# Altium PCB LimeSDR-XTRX_1v0.PcbDoc (part 4 of 8) (continued)
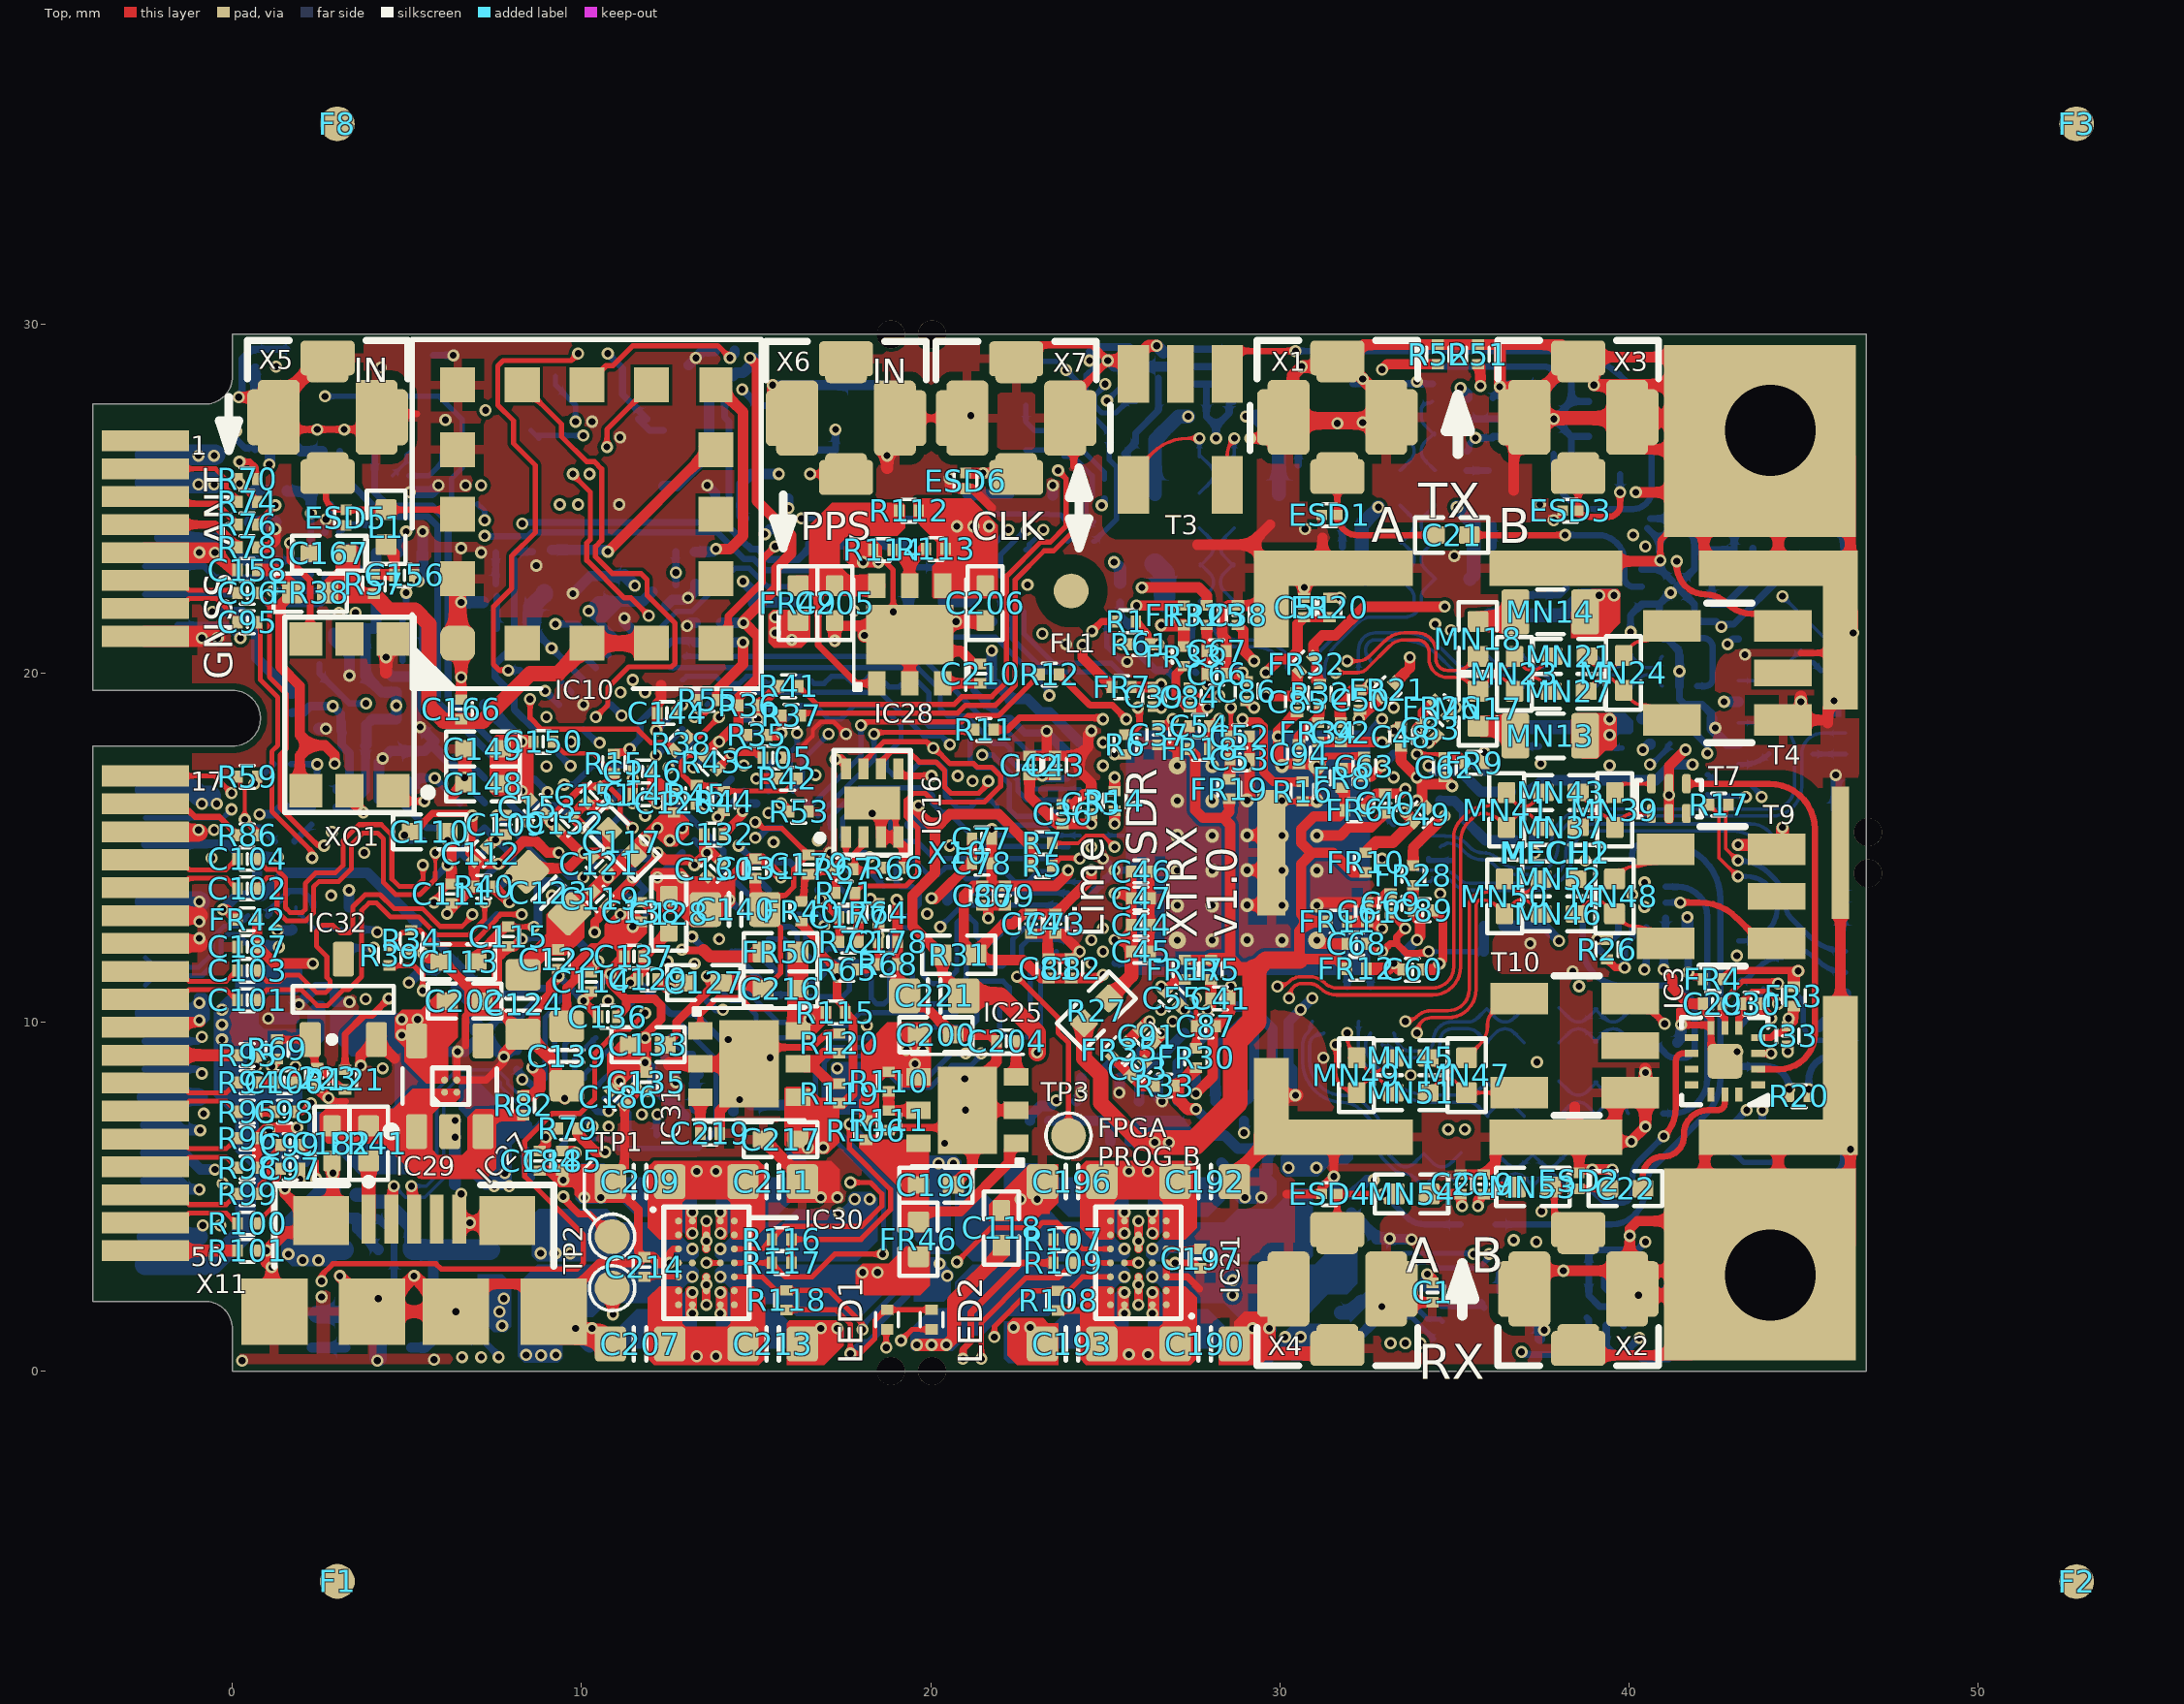
[diagram p0: Top view]
## Nets (pads, with @x,y where several pads share a name; then routed paths per layer and width w, separated by ;. In a path a pad name is that pad's centre, name@x,y a point inside that pad or via, vN(x,y) a via of type N, cw(c..) or ccw(c..) an arc to the next point about the centre after c; other vN are vias at no path point) (continued)
  Bottom w0.25: v1(0.775,15.95) 1.175,15.95 1.375,16.15 IC12.2@2.262,16.15 ; C183.2@8.4,6.32 8.4,5.701 R89.2@8.541,5.56 ; IC1.K4@33.596,17.343 v1(33.929,17.01) ; v1@40.483,7 T8.2@40.483,7.38 T8.5@40.483,8.23 v1@40.483,8.6 ; v1(41,11.5) 41.003,11.503 41.003,11.847 C32.2@41.005,11.85 ; T1.2@41.451,19.625 T1.5@41.451,20.475
  Bottom w0.3: 0.596,24.821 0.596,25.22 0.625,25.249 ; 0.625,25.25 C176.2@1,25.25 ; v1(1.9,10.5) 2.4,11 2.775,11 2.925,10.85 2.925,10.575 v1(3.35,10.575) ; C172.2@2.895,21.148 2.895,20.955 3.35,20.5 v1(3.35,19.925) ; C108.2@4.195,16.375 4.195,17.445 v1(4.3,17.55) 4.514,17.764 5.502,17.764 5.782,18.043 v1(5.375,18.45) 5.255,18.57 C168.2@5.255,19.45 5.255,19.745 5.1,19.9 4.575,19.9 4.4,20.075 v1(4.4,20.45) ; IC14.3@5.435,23.44 5.443,23.448 v1@5.443,24.043 ; C155.1@5.642,17.904 5.746,17.904 v1(6.65,17) ; 5.945,9.15 v1(6.45,9.15) 6.654,9.15 C203.1@7.029,9.525 7.25,9.525 v1(7.775,9) 7.98,9.205 R77.1@8.15,9.205 ; C188.1@6.325,2.475 6.325,1.775 C165.2@6.67,1.43 ; C106.2@6.389,10.954 R50.2@6.937,10.406 6.937,9.744 C203.1@7.029,9.652 ; v1(9.75,22.275) 10.252,22.777 C143.1@11.204,22.777 ; v1@9.825,1.23 v1@10.3,1.23 ; v1(11.225,21.575) 11.225,21.456 IC7.W1@11.467,21.214 ; C147.2@12.423,21.927 12.596,22.1 13,22.1 v1(13.05,22.15) 13.26,22.36 C161.2@13.26,22.555 ; v1(13.025,21.35) 13.11,21.435 C126.2@13.261,21.435 ; X9.6@13.07,28.82 v1(13.275,29.025) 13.475,29.225 C163.2@13.82,29.225 ; v1(13.6,25.375) 13.825,25.15 13.825,24.935 C159.2@13.85,24.935 ; C141.1@14.35,7.433 C134.1@14.35,8.373 ; C141.1@14.85,7.625 C125.1@15.79,7.625 ; 15.1,7.65 15.1,8.59 ; v1(15.25,23.975) 15.4,24.125 15.655,24.125 15.995,23.785 C174.2@15.995,23.685 ; v1(15.475,28.25) IC17.PAD@18.55,28.25 ; 16.011,6.239 C208.1@16.675,5.575 ; v1(16.85,4.975) v1(17.325,4.975) ; IC9.3@19.365,22.365 19.365,21.885 19.78,21.47 R63.2@20.35,21.47 20.375,21.47 20.38,21.475 C2.1@21.77,21.475 ; IC17.PAD@21.05,25.125 IC17.4@22.25,25.125 ; v1@23.335,18.327 23.335,18.28 IC1.J33@23.938,17.676 ; IC17.4@23.5,25.085 v1(23.5,25.375) ; C64.1@24.175,7.73 24.315,7.87 C56.2@24.315,8.4 ; v1(25.075,28.95) 25.089,28.95 25.264,28.775 IC13.PAD@27.175,28.775 ; v1@25.415,8.007 C57.2@25.415,8.4 ; C58.2@26.515,8.4 26.515,7.835 v1(26.625,7.725) ; v1@27.595,8.007 C88.2@27.595,8.4 ; 28.325,5.975 28.5,5.8 C201.1@28.975,5.8 ; C71.2@28.706,8.4 28.706,8.793 28.825,8.911 v2(28.825,8.925) ; C201.1@29.65,5.7 29.65,6.15 30.175,6.675 ; v1(30.45,7.9) 30.45,7.914 30.355,8.009 C59.2@30.355,8.4 30.355,8.645 30.25,8.75 30.25,10.002 v1(30.932,10.683) ; C116.1@31.55,4.975 v1(31.55,5.575) ; C222.2@32.03,0.7 32.03,0.741 32.925,1.636 v1(32.925,1.85) ; C116.1@32.05,4.55 32.775,3.825 32.775,3.775 v1(33.775,3.775) ; C116.1@32.075,5.05 32.5,5.475 v1(32.7,5.475) ; IC2.7@34.65,1.925 IC2.PAD@35.75,1.925 ; IC2.PAD@36.35,2.3 36.35,2.9 ; IC2.PAD@36.85,1.925 IC2.2@37.45,1.925 ; IC2.4@37.45,0.925 IC2.1@37.45,2.425 ; v1(38.95,5.775) v1(39.525,5.775) ; IC8.2@39.35,2.8 39.35,2.425 39.575,2.2 v1@40.25,2.2 ; v1@40.062,6.588 v1(40.475,7) ; v1(40.275,2.175) v1@40.25,2.2 ; C160.2@40.385,0.4 41.125,0.4 X10.0@41.425,0.7 ; T6.1@41.385,9.415 41.5,9.53 v1(41.5,9.925) ; X10.0@41.5,2.2 v1@40.25,2.2 ; R25.2@42.375,18.7 42.375,18.4 42.8,17.975 X13.12@43.142,17.975 ; v2(45.45,9.85) 45.825,10.225 X8.9@46.207,10.225 X8.7@46.207,10.825 ; X10.0@45.8,5.1 X10.0@46.207,5.507 ; X13.MP2@45.932,16.09 X13.15@45.932,17.075 ; X8.1@46.08,12.65 46.08,14.425 ; X13.1@46.207,21.275 X10.0@46.207,24.425
  Bottom w0.35: 0.5,24.327 C175.1@1.225,24.327 ; v1(1.025,10.1) IC26.2@1.75,10.1 ; v1(1.05,6.9) 1.775,6.9 v1(1.85,6.975) ; IC11.3@2.49,18.4 v1(2.675,18.4) ; v1(5.075,25.175) 5.7,25.175 v1(5.9,25.375) ; v1(5.325,22.625) 5.443,22.743 IC14.3@5.443,23.448 ; 6.375,5.35 v1(6.375,7.175) ; v1(6.55,22.025) C154.1@7.175,22.025 ; v1(9.825,1.225) 9.825,1.1 C218.1@10.225,0.7 ; C218.1@10.3,0.907 v1(10.3,1.225) ; C143.1@11.226,22.799 v1(11.525,22.5) ; v1(16.85,4.975) C208.1@16.85,5.45 ; v1(26.475,29.375) IC13.PAD@26.669,29.181 ; T5.1@39.525,5.26 v1(39.525,5.775) ; C34.2@41.675,12.63 v1(41.675,13)
  Bottom w0.4: X10.0@46.257,5.432 X8.15@46.257,8.35
  Bottom w0.5: X10.50@-2.5,3.85 -0.95,3.85 ; X10.40@-2.5,7.85 -0.95,7.85 ; 2.425,1.625 IC20.PAD@3.7,1.625 ; IC20.2@4.175,0.375 IC20.PAD@4.175,1.65
  Bottom w0.6: X10.34@-2.5,10.25 -0.95,10.25 ; X10.26@-2.5,13.45 v1(-0.95,13.449) ; X10.18@-2.5,16.65 -1.125,16.65 -0.95,16.475 -0.625,16.475 ; X10.4@-2.5,25.45 v1@-0.5,25.45
  other v1: 0.275,0.3 4.15,0.3 5.775,0.325 37.575,1.175 16.85,1.225 17.325,1.225 29.225,1.225 29.7,1.225 22.375,1.25 22.85,1.25 6.4,1.7 4.175,2.075 35.35,2.1 2.55,2.125 13.575,2.475 25.95,2.475 37.35,3.7 13.575,3.725 25.95,3.725 33.15,3.8 -0.85,4.175 -0.35,4.175 6.8,4.25 37.5,4.575 22.575,4.925 23.05,4.925 10.075,4.975 10.55,4.975 29,4.975 29.475,4.975 -0.275,5.375 2.875,5.675 46.35,6.35 20.4,6.525 6.375,6.7 -0.825,7.375 21,7.475 14.525,7.775 24.325,7.975 25.4,7.975 20.975,8.375 33.75,8.475 40.475,8.55 0.675,8.725 3.675,8.75 37.367,8.85 15.4,8.975 31.25,8.975 43.1,9.15 -0.95,10.05 30.598,10.35 -0.95,10.549 13.588,11.314 38.392,11.45 43.092,11.9 37.175,12.25 -0.95,12.4 -0.95,12.875 40.45,13.3 5.775,13.425 19.025,13.5 20.025,13.55 2.825,13.625 40.1,13.65 40.45,14 38.75,14.625 36.825,14.75 3.772,14.85 17.124,14.85 6.163,15.204 -0.975,15.5 -0.525,15.5 11.82,15.911 18.325,15.975 -0.875,16.25 -0.45,16.25 33.929,16.344 41.15,16.5 21.2,16.9 45.925,17.075 39.45,17.35 37.475,17.4 34.262,18.009 29.95,18.175 42.475,18.425 26.602,19.008 10.053,19.093 44.925,19.175 45.875,19.2 41.45,20.05 26.825,20.475 43.325,20.525 23.875,20.825 -0.875,21 -0.425,21 34.45,21.4 20.725,21.475 30.7,22.45 8.7,23.075 18.065,23.175 35,23.35 -0.95,23.45 7.125,23.45 6.55,23.575 5.45,24.05 30.725,24.125 37.85,24.375 2.675,24.4 11.075,24.825 37.45,24.825 6.675,25.375 -0.975,25.399 -0.525,25.4 20.55,25.575 11.1,26.75 31.65,27.15 32.375,27.175 10.3,27.2 6.1,27.25 21.15,27.375 33.925,28.35 4.25,28.75
  other v2: 15.575,11.5 27.268,19.674
  other v3: 28.065,12.34 29.065,12.35 30.065,12.34 27.065,13.34 28.065,13.34 30.065,13.34 27.065,14.34 28.065,14.34 30.065,14.34 31.065,14.34 27.065,15.34 28.065,15.34 30.065,15.34 27.065,16.34 28.065,16.34 30.065,16.34 28.065,17.34 29.065,17.35
  other v4: 15.709,13.436
  other v5: 27.065,12.34
GNSS_1PPS: IC7.P3 IC10.6 | length 13.7
  Top w0.15: IC10.6@8.3,28.25 9.425,27.125 9.425,26.775 10.15,26.05 10.37,26.05 10.575,25.845 10.575,23.795 10.4,23.62 10.4,23.33 10.88,22.85 11.7,22.85 11.875,22.675 11.875,22.225 12.675,21.425 12.675,20.278 12.572,20.175 11.347,20.175 10.75,19.578 10.75,19.083 v1(10.406,18.739)
GNSS_ANT: ESD5.1 IC10.3 L1.1 X5.1 | length 4.6
  Top w0.18: X5.1@2.675,25.625 2.675,25.062 ccw(c3.062,25.062) 3.062,24.675 ESD5.1@3.25,24.675 L1.1@4.4,24.675 6.325,24.675 cw(c6.325,24.55) IC10.3@6.45,24.55
GNSS_FIX: IC7.R18 IC10.13 | length 21.1
  Top w0.2: IC10.13@13.85,20.85 14.2,21.2 14.2,21.625 15.175,22.6 15.175,23.25 v1(15.55,23.625)
  L3 w0.1: v1(15.55,23.625) 18.51,23.625 19.925,22.21 19.925,21.275 19.7,21.05 19.7,16.875 19.975,16.6 19.975,15.975 20.55,15.4 v1(20.55,15.05)
  L6 w0.1: v2(16.063,13.789) 16.514,13.789 16.65,13.925 17.542,13.925 17.917,14.3 18.286,14.3 18.636,14.65 19.375,14.65 19.55,14.825 20.325,14.825 v1(20.55,15.05)
GNSS_HW_R: C163.1 IC7.U18 IC10.7 | length 65.7
  Top w0.15: IC10.7@10.15,28.25 10.7,28.8 10.895,28.8 11.47,29.375 13.9,29.375 v1(14.25,29.025)
  L3 w0.1: v1(14.25,29.025) 14.65,28.625 15.575,28.625 16.225,27.975 17.975,27.975 18.95,27 21.15,27 22.45,25.7 22.45,25.35 23.55,24.25 23.55,22.219 22.656,21.325 21.675,21.325 21.175,20.825 21.175,18.35 20.875,18.05 20.875,17.65 20.45,17.225 20.45,16.875 21.1,16.225 21.1,15.125 23.4,12.825 23.4,12.025 26.15,9.275 28.31,9.275 31.875,5.71 31.875,5.44 31.685,5.25 30.05,5.25 28.6,6.7 28.6,7.5 27.725,8.375 25.9,8.375 21.95,12.325 21.375,12.325 20.6,13.1 v1(19.9,13.1)
  L4 w0.1: v1(15.5,15.15) 15.514,15.136 15.745,15.136 16.906,13.975 17.125,13.975 18,13.1 v1(19.9,13.1)
  L7 w0.1: v1(15.5,15.15) 16.154,14.496 v4(16.77,14.496)
  Bottom w0.3: v1(14.25,29.025) 14.38,29.155 C163.1@14.38,29.225
GNSS_HW_S: C165.1 IC7.L18 IC10.8 | length 83.3
  Top w0.15: v1(10.725,26.475) 10.725,26.975 IC10.8@12,28.25
  L4 w0.1: v1(7.625,0.4) 6.775,1.25 1.475,1.25 -0.525,3.25 -1.184,3.25 -1.825,3.891 -1.825,15.984 -0.67,17.14 0.524,17.14 1.525,18.141 1.525,21.358 0.083,22.8 -0.917,22.8 -1.975,23.858 -1.975,25.892 -1.242,26.625 -0.342,26.625 -0.117,26.4 3.341,26.4 3.566,26.625 9.683,26.625 9.833,26.475 v1(10.725,26.475)
  L6 w0.1: v1(7.625,0.4) 7.325,0.7 7.325,2.484 8.616,3.775 11.075,3.775 11.875,4.575 11.875,4.801 13.574,6.5 15.55,6.5 16.175,5.875 17.15,5.875 17.425,6.15 18.058,6.15 18.6,6.692 18.6,9.935 18.11,10.425 16,10.425 15.6,10.025 13.875,10.025 13.7,10.2 13.7,10.5 14.45,11.25 14.45,11.76 14.185,12.025 13.754,12.025 13.617,12.163 13.617,12.542 13.875,12.8 ; 13.876,12.8 14.129,13.054 14.446,13.054 14.649,12.851 v2(14.649,12.375)
  Bottom w0.2: C165.1@6.675,0.875 7.18,0.875 7.625,0.43 v1(7.625,0.4)
GNSS_RXD: C162.1 FR37.1 IC7.L1 | length 6.1
  Bottom w0.2: 8.075,23.245 8.075,20.8 7.525,20.25 7.525,19.89 8.075,19.34 8.075,18.949 IC7.L1@8.638,18.386 ; C162.1@8.075,23.42 C162.1@8.1,23.445 8.125,23.47 FR37.1@8.595,23.47
GNSS_TXD: C161.1 FR36.1 IC7.N2 | length 22.5
  L6 w0.1: v2(9.699,18.739) 9.4,19.038 9.4,19.667 9.217,19.85 8.875,19.85 7.75,20.975 4.892,20.975 4.05,21.817 4.05,21.942 3.567,22.425 3.35,22.425 3.125,22.65 3.125,23.425 3.65,23.95 3.65,24.425 3.8,24.575 4.2,24.575 4.4,24.375 4.4,23.883 4.783,23.5 5.8,23.5 6.175,23.125 7.85,23.125 8.825,24.1 11.478,24.1 v1(12.7,22.878)
  Bottom w0.2: C161.1@12.7,22.53 C161.1@12.7,22.555 v1(12.7,22.878) FR36.1@12.7,23.475
GPIO8: IC7.N3 IC19.6 | length 17.3
  L3 w0.1: v1(4.05,12.125) 4.84,12.125 5.315,11.65 5.675,11.65 6.15,11.175 8.746,11.175 9.47,11.899 9.47,13.08 9.25,13.3 9.015,13.3 8.825,13.49 8.825,13.78 7.721,14.884 7.413,14.884 7.196,15.101 7.196,16.471 8.432,17.707 9.834,17.707 10.123,17.996 v1(10.517,17.996)
  Bottom w0.2: IC19.6@3.337,12.01 3.337,12.075 3.387,12.125 v1(4.05,12.125) ; IC7.N3@10.053,18.386 10.442,17.996 v1(10.517,17.996)
GPIO9_N: IC7.J1 X12.4 | length 11.1
  Bottom w0.2: X12.4@4.075,26.35 4.075,25.17 4.47,24.775 5.724,24.775 6.175,24.324 6.175,19.293 7.78,17.688 7.922,17.688 IC7.J1@7.931,17.678
GPIO9_P: IC7.H1 X12.2 | length 11.6
  Bottom w0.2: X12.2@3.075,26.35 3.075,25.745 4.345,24.475 5.6,24.475 5.875,24.2 5.875,19.169 7.568,17.476 7.568,17.334 IC7.H1@7.578,17.325
GPIO11_N: IC7.L2 X12.8 | length 14.9
  L6 w0.1: v2(5.05,25.65) 4.4,25 3.55,25 3.25,24.7 3.25,24.233 2.7,23.683 2.7,21.608 4.283,20.025 5.4,20.025 6,19.425 7.846,19.425 8.986,18.286 8.986,18.038 v2(8.992,18.032)
  Bottom w0.15: v2(5.05,25.65) 5.625,25.65 6,26.025 6,26.275 X12.8@6.075,26.35
GPIO11_P: IC7.K2 X12.6 | length 14.4
  L6 w0.1: v2(4.575,25.65) 4.125,25.2 3.467,25.2 3.05,24.783 3.05,24.533 3.05,24.315 2.5,23.765 2.5,21.525 2.55,21.475 2.875,21.15 4.2,19.825 5.317,19.825 5.917,19.225 7.763,19.225 8.638,18.35 v2(8.638,17.678)
  Bottom w0.1: v2(4.575,25.65) 4.587,25.65 4.975,26.038 4.975,26.25 X12.6@5.075,26.35
GPIO13: IC7.T17 X8.8 X13.8 | length 67.4
  L3 w0.1: v1(16.7,17.075) 16.7,21.05 17.425,21.775 v1(17.8,21.775)
  L4 w0.1: v1(14.5,15.05) 14.275,15.275 14.275,16.225 14.439,16.389 15.364,16.389 15.564,16.589 15.844,16.589 16.034,16.399 16.034,15.412 16.922,14.525 17.425,14.525 17.75,14.85 17.75,16.025 v1(16.7,17.075) ; v1(38.575,11.025) 39.039,11.489 39.039,11.854 40.16,12.975 40.585,12.975 40.9,13.29 40.9,13.75 42.6,15.45 42.6,16.825 42.875,17.1 42.875,19.025 v1(42.725,19.175)
  L6 w0.1: v1(17.8,21.775) 18.35,21.775 19.05,21.075 20.85,21.075 22,19.925 25.685,19.925 26.075,20.315 26.075,21.3 26.47,21.695 26.74,21.695 27.335,21.1 30.381,21.1 30.756,21.475 32.3,21.475 33.05,22.225 34.909,22.225 38.05,19.084 38.05,17.05 38.775,16.325 39.35,16.325 40.35,15.325 41.817,15.325 42.575,16.083 42.575,17.85 42.15,18.275 42.15,18.6 v1(42.725,19.175) ; v1(38.575,11.025) 38.625,10.975 42.525,10.975 v2(43.15,10.35)
  Bottom w0.2: v1(14.5,15.05) 14.964,14.586 15.959,14.586 16.049,14.496 IC7.T17@16.063,14.496
  Bottom w0.3: v1(42.725,19.175) X13.8@43.142,19.175 ; X8.8@43.142,10.525 X8.8@43.15,10.525
  Bottom w0.35: v2(43.15,10.35) X8.8@43.15,10.5
INIT_B: IC7.U11 R45.2 | length 1.3
  Top w0.3: R45.2@13.3,16.225 v1(13.549,16.225)
  Bottom w0.2: v1(13.549,16.225) IC7.U11@14.295,16.971
LED_WLAN#_GPIO6: IC7.M2 X10.44 | length 23.5
  L6 w0.1: v1@-0.575,5.8 -0.146,5.8 0.954,4.7 2.95,4.7 6.825,8.575 6.825,9.749 8.975,11.899 8.975,12.852 8.3,13.527 8.3,14.217 7.989,14.528 7.989,15.526 8.145,15.683 8.145,16.019 8.665,16.538 8.665,16.679 8.911,16.925 9.15,16.925 9.345,17.12 v2(9.345,18.386)
  Bottom w0.3: X10.44@-2.5,6.25 -1.396,6.25 -0.922,5.775 v1(-0.5,5.775)
LED_WPAN#_GPIO7: IC7.G2 X10.46 | length 20.1
  L6 w0.1: v1(-0.95,5.2) -1.1,5.35 -1.1,5.917 -0.275,6.742 -0.275,8.6 0.5,9.375 0.5,10.425 1.9,11.825 1.9,15.575 3.025,16.7 4.875,16.7 5.525,17.35 6.845,17.35 v2(7.578,16.618)
  Bottom w0.3: X10.46@-2.5,5.45 -1.525,5.45 -1.275,5.2 v1(-0.95,5.2) v1@-0.925,5.2
LED_WWAN#_GPIO5: IC7.G3 X10.42 | length 23.6
  L6 w0.1: v1(-0.925,6.9) -1.5,6.324 -1.5,5 -1,4.5 3.1,4.5 7.025,8.425 7.025,9.666 9.175,11.816 9.175,12.934 8.5,13.609 8.5,14.3 8.189,14.611 8.189,15.443 v1(8.47,15.725) v1@8.47,15.75
  Bottom w0.2: IC7.G3@7.931,16.264 v1@8.458,15.738
  Bottom w0.3: X10.42@-2.5,7.05 -1.575,7.05 -1.425,6.9 v1(-0.925,6.9)
LMS_CORE_LDO_EN: IC1.U33 IC7.W17 R9.1 | length 8.4
  Bottom w0.15: IC7.W17@17.124,15.557 17.124,15.874 17.965,16.715 19.835,16.715 20.048,16.502 R9.1@20.048,16.277 ; R9.1@20.1,16.215 20.048,16.267 R9.1@20.048,16.277 ; IC1.U33@23.938,15.012 23.767,15.012 23.75,15.029 21.496,15.029 20.525,16 20.325,16 R9.1@20.048,16.277
LMS_DIQ1_D0: IC1.AG31 IC7.J17 | length 13.5
  L4 w0.1: v1(13.166,12.444) 13.635,11.975 15.925,11.975 16.125,11.775 17.475,11.775 17.95,11.3 18.275,11.3 18.75,11.775 19.225,11.775 19.7,11.3 21.85,11.3 22.25,10.9 22.575,10.9 22.941,11.266 23.216,11.266 23.391,11.091 24.013,11.091 v1(24.604,11.682)
  Bottom w0.2: v1(13.166,12.444) IC7.J17@13.588,12.022
LMS_DIQ1_D1: IC1.AF30 IC7.H17 | length 13.6
  L4 w0.1: v1(13.234,11.668) 15.807,11.668 16,11.475 16.525,11.475 17.025,10.975 19.3,10.975 19.575,10.7 24.748,10.7 25.323,11.275 25.323,11.629 v1(24.937,12.015)
LMS_DIQ1_D2: IC1.AF34 IC7.H19 | length 14.6
  Bottom w0.15: IC7.H19@13.942,10.961 14.294,10.608 14.592,10.608 15,10.2 15,9.903 15.353,9.55 18.475,9.55 18.775,9.85 21.132,9.85 21.323,10.041 21.323,10.691 21.548,10.916 21.773,10.916 21.973,10.716 21.973,9.766 22.173,9.566 22.973,9.566 23.148,9.741 23.148,11.558 IC1.AF34@23.605,12.015
LMS_DIQ1_D3: IC1.AE31 IC7.K17 | length 11.8
  L4 w0.1: v1(13.942,12.375) 15.95,12.375 16.25,12.075 19.925,12.075 20.375,11.625 21.007,11.625 21.73,12.348 22.116,12.348 22.773,11.691 23.229,11.691 23.886,12.348 v1(24.604,12.348)
LMS_DIQ1_D4: IC1.AD30 IC7.G17 | length 16.8
  L4 w0.1: v1(12.459,11.737) 12.7,11.737 13.449,10.987 13.762,10.987 14.1,11.325 15.867,11.325 15.967,11.225 16.375,11.225 16.875,10.725 18.425,10.725 18.65,10.5 24.831,10.5 25.625,11.294 25.625,12.453 25.397,12.681 v1(24.937,12.681)
  Bottom w0.2: v1(12.459,11.737) IC7.G17@12.881,11.314
LMS_DIQ1_D5: IC1.AC29 IC7.V16 | length 13.9
  L6 w0.1: v2(16.416,15.557) 16.416,15.966 16.75,16.3 17.892,16.3 18.092,16.5 18.775,16.5 18.925,16.35 18.925,15.958 19.23,15.653 19.844,15.653 20.167,15.975 22,15.975 22.175,15.8 22.175,15.49 21.95,15.265 21.95,15.067 22.042,14.975 22.875,14.975 23.104,15.204 23.353,15.204 23.531,15.027 23.531,14.764 23.4,14.633 23.4,14.327 23.786,13.941 25.072,13.941 25.136,14.005 25.405,14.005 25.469,13.941 25.595,13.815 25.595,13.339 v2(25.27,13.014)
LMS_DIQ1_D6: IC1.AE33 IC7.J19 | length 14.6
  Bottom w0.15: IC7.J19@14.295,11.314 15.618,9.992 15.917,9.992 16.35,10.425 16.725,10.425 17.25,9.9 17.609,9.9 17.975,10.266 20.723,10.266 20.995,10.537 20.995,10.812 21.348,11.166 22.073,11.166 22.252,10.987 22.252,10.237 22.398,10.091 22.648,10.091 22.848,10.291 22.848,11.616 22.598,11.866 22.598,12.166 22.797,12.365 23.921,12.365 IC1.AE33@23.938,12.348
LMS_DIQ1_D7: IC1.AD32 IC7.M19 | length 14.9
  Bottom w0.11: 23.663,12.681 IC1.AD32@24.271,12.681
  Bottom w0.15: IC7.M19@15.356,12.375 15.8,12.375 15.925,12.25 15.925,11.25 16.45,10.725 17.475,10.725 17.675,10.925 17.675,11.2 17.875,11.4 18.125,11.4 18.3,11.225 18.3,10.675 18.459,10.516 18.656,10.516 18.825,10.685 18.825,11.475 19.025,11.675 19.35,11.675 19.475,11.55 19.475,10.725 19.684,10.516 20.273,10.516 21.023,11.266 21.023,11.741 21.198,11.916 21.409,11.916 21.725,11.6 22.05,11.6 22.348,11.898 22.348,12.366 22.663,12.681 23.663,12.681
LMS_DIQ1_D8: IC1.AC31 IC7.P17 | length 14
  L6 w0.1: v2(14.934,14.211) 14.934,14.434 15.125,14.625 15.742,14.625 16.242,14.125 17.45,14.125 17.925,14.6 17.925,15 18.125,15.2 18.406,15.2 18.756,14.85 19.175,14.85 19.35,15.025 20.066,15.025 20.225,15.184 ; 20.225,15.185 20.415,15.375 20.75,15.375 20.924,15.201 20.924,14.901 21.625,14.2 22.317,14.2 22.45,14.067 22.45,13.608 22.62,13.437 23.08,13.437 23.4,13.117 23.4,12.658 23.608,12.45 24.04,12.45 v2(24.604,13.014)
  Bottom w0.2: v2(14.934,14.211) IC7.P17@15.356,13.789
LMS_DIQ1_D9: IC1.AC33 IC7.N19 | length 14.6
  Bottom w0.15: IC7.N19@15.709,12.729 15.996,12.729 16.175,12.55 16.175,11.45 16.475,11.15 16.725,11.15 16.95,11.375 16.95,11.625 17.05,11.725 18.625,11.725 18.85,11.95 18.85,12.5 19.05,12.7 19.575,12.7 19.775,12.5 19.775,11.35 20.025,11.1 20.382,11.1 20.748,11.466 20.748,12.841 20.923,13.016 21.098,13.016 21.298,12.816 21.298,12.466 21.473,12.291 21.77,12.291 22,12.521 22,12.843 22.129,12.972 23.896,12.972 IC1.AC33@23.938,13.014
LMS_DIQ1_D10: IC1.AB30 IC7.U17 | length 12.5
  L6 w0.1: v2(16.416,14.85) 16.741,14.525 17.275,14.525 17.525,14.775 17.525,14.975 17.075,15.425 17.075,15.875 17.3,16.1 17.975,16.1 18.175,16.3 18.475,16.3 18.725,16.05 18.725,15.875 19.147,15.453 19.927,15.453 20.25,15.775 21.225,15.775 21.35,15.65 21.35,15.225 21.8,14.775 22.57,14.775 23.673,13.672 24.612,13.672 v2(24.937,13.347)
LMS_DIQ1_D11: IC1.AB32 IC7.U16 | length 12.1
  L6 w0.1: v2(16.063,15.204) 15.894,15.034 15.894,14.756 16.325,14.325 17.358,14.325 17.725,14.692 17.725,15.1 17.45,15.375 17.45,15.641 17.609,15.8 17.8,15.8 18.2,15.4 18.575,15.4 18.75,15.225 19.983,15.225 20.333,15.575 20.95,15.575 21.15,15.375 21.15,15.076 21.751,14.475 22.325,14.475 23.453,13.347 v2(24.271,13.347)
LMS_DIQ2_D0: IC1.H30 IC7.W2 | length 16.3
  L4 w0.1: v1(23.4,19.354) 23.4,19.075 24.466,18.009 v1(24.937,18.009)
  Bottom w0.15: IC7.W2@11.82,20.86 12.72,21.76 13.155,21.76 14.39,22.995 14.805,22.995 15.325,22.475 16.35,22.475 17.4,21.425 18.575,21.425 18.975,21.025 21.859,21.025 23.362,19.522 23.362,19.392 v1@23.39,19.364
LMS_DIQ2_D1: IC1.J31 IC7.U2 | length 16.1
  L6 w0.1: v2(11.113,20.153) 11.113,20.738 11.275,20.9 13.075,20.9 13.55,20.425 21.175,20.425 21.9,19.7 23.625,19.7 24.2,19.125 24.2,18.081 v2(24.604,17.676)
LMS_DIQ2_D2: IC1.K30 IC7.U3 | length 14.7
  L4 w0.1: v1(11.467,19.8) 11.742,20.075 17.933,20.075 19.608,18.4 21.85,18.4 22.475,17.775 23.475,17.775 23.907,17.343 v1(24.937,17.343)
LMS_DIQ2_D3: IC1.K32 IC7.V3 | length 14.2
  L6 w0.1: v2(11.82,20.153) 20.997,20.153 22.134,19.016 23.573,19.016 23.823,18.766 23.823,17.791 v2(24.271,17.343)
LMS_DIQ2_D4: IC1.L31 IC7.V4 | length 13.6
  L6 w0.1: v2(12.174,19.8) 20.9,19.8 22.6,18.1 23.025,18.1 24.115,17.01 v2(24.604,17.01)
LMS_DIQ2_D5: IC1.K34 IC7.V2 | length 13.3
  L6 w0.1: v2(11.467,20.507) v2@12.85,20.507
  Bottom w0.15: v2@12.95,20.475 19.714,20.475 21.89,18.3 22.225,18.3 22.785,17.74 23.209,17.74 IC1.K34@23.605,17.343
  other v2: 12.85,20.525
LMS_DIQ2_D6: IC1.M30 IC7.V5 | length 13.6
  L6 w0.1: v2(12.527,19.446) 20.779,19.446 22.575,17.65 23.192,17.65 24.165,16.677 v2(24.937,16.677)
LMS_DIQ2_D7: IC1.M32 IC7.W4 | length 13.9
  Bottom w0.11: 23.767,16.677 IC1.M32@24.271,16.677
  Bottom w0.15: IC7.W4@12.527,20.153 19.629,20.153 20.275,19.507 20.275,18.975 20.484,18.766 21.016,18.766 21.807,17.975 22.125,17.975 22.275,17.825 22.275,17.507 22.457,17.325 22.65,17.325 22.75,17.225 22.75,16.825 22.898,16.677 23.767,16.677
LMS_DIQ2_D8: IC1.N31 IC7.V8 | length 13.6
  L6 w0.1: v2(13.588,18.386) 14.086,18.386 14.775,19.075 20.7,19.075 21.3,18.475 21.3,18.1 21.05,17.85 21.05,17.45 21.275,17.225 21.7,17.225 21.925,17.45 22.3,17.45 23.406,16.344 v2(24.604,16.344)
LMS_DIQ2_D9: IC1.N33 IC7.U4 | length 14.3
  Top w0.3: v1(11.82,19.446) v1@11.823,19.444
  L4 w0.1: v1(11.82,19.446) 12.224,19.85 17.575,19.85 19.925,17.5 20.565,17.5 20.915,17.85 21.275,17.85 v1(21.475,17.65)
  Bottom w0.15: v1(21.475,17.65) 21.779,17.65 22.5,16.929 22.5,16.625 22.764,16.361 23.921,16.361 IC1.N33@23.938,16.344 ; IC1.N33@23.938,16.344 IC1.N33@23.938,16.386
LMS_DIQ2_D10: IC1.P30 IC7.U8 | length 15.5
  L6 w0.1: v1(12.488,17.286) 12.488,16.912 12.75,16.65 14.075,16.65 14.325,16.4 15.35,16.4 15.65,16.7 17.726,16.7 17.926,16.9 19.692,16.9 19.892,16.7 20.15,16.7 20.475,16.375 22.375,16.375 23.059,15.691 23.498,15.691 23.836,15.353 24.739,15.353 24.937,15.551 v2(24.937,16.011)
  Bottom w0.2: v1(12.488,17.286) IC7.U8@13.234,18.032
LMS_DIQ2_D11: IC1.P32 IC7.U7 | length 15.2
  L6 w0.1: v1(12.135,17.639) 12.594,17.639 12.813,17.42 12.813,17.187 13.036,16.964 14.386,16.964 14.75,16.6 15.2,16.6 16.15,17.55 16.735,17.55 17.185,17.1 17.75,17.1 18.1,17.45 20.175,17.45 20.35,17.275 20.35,17.015 20.79,16.575 22.65,16.575 23.214,16.011 v2(24.271,16.011)
  Bottom w0.2: v1(12.135,17.639) IC7.U7@12.881,18.386
LMS_EN_IQSEL1: IC1.Y32 IC7.P19 | length 15
  Bottom w0.11: 23.658,14.013 IC1.Y32@24.271,14.013
  Bottom w0.15: IC7.P19@16.063,13.082 16.268,13.082 16.425,12.925 16.425,11.95 16.55,11.825 16.796,11.825 17.073,12.102 17.827,12.102 18,12.275 18,12.5 17.9,12.6 17.464,12.6 17.35,12.714 17.35,13.05 17.5,13.2 17.975,13.2 18.15,13.025 19.33,13.025 19.675,13.37 19.675,13.675 19.475,13.875 19.15,13.875 19,14.025 19,14.475 19.15,14.625 19.525,14.625 19.925,14.225 20.22,14.225 20.424,14.429 20.686,14.429 21.015,14.1 21.275,14.1 21.604,14.429 22,14.429 22.416,14.013 22.77,14.013 23.073,14.316 23.355,14.316 23.658,14.013
LMS_EN_IQSEL2: IC1.R33 IC7.W7 | length 14.9
  Bottom w0.15: IC7.W7@13.588,19.093 13.67,19.175 14.15,19.175 14.25,19.075 15.25,19.075 15.65,18.675 15.887,18.675 16.287,19.075 16.675,19.075 17.075,18.675 17.425,18.675 17.825,19.075 18.571,19.075 19.15,18.496 19.15,18.075 18.725,17.65 18.725,17.275 18.925,17.075 19.325,17.075 19.675,17.425 20.2,17.425 20.425,17.2 20.425,16.475 20.775,16.125 21.125,16.125 21.35,16.35 21.725,16.35 21.895,16.18 21.895,15.875 22.134,15.636 23.896,15.636 IC1.R33@23.938,15.678
LMS_FCLK1: IC7.G19 R2.1 | length 13.9
  L6 w0.1: v1(14.045,10.35) 14.45,10.35 14.608,10.508 14.608,10.913 14.795,11.1 15.65,11.1 15.875,11.325 16.5,11.325 16.675,11.5 16.675,11.825 16.825,11.975 17.575,11.975 18.275,11.275 18.575,11.275 19.275,11.975 19.575,11.975 20.45,11.1 21.45,11.1 21.85,11.5 21.85,11.992 21.492,12.35 20.8,12.35 20.613,12.537 20.613,12.844 20.75,12.981 20.75,13.2 v2(20.475,13.475)
  Bottom w0.15: R2.1@20.562,13.797 R2.1@20.567,13.792
  Bottom w0.2: IC7.G19@13.588,10.607 13.845,10.35 v1(14.045,10.35)
  Bottom w0.3: v2(20.475,13.475) 20.637,13.637 R2.1@20.637,13.697 R2.1@20.637,13.697
LMS_FCLK2: IC7.W6 R14.1 | length 13.6
  Top w0.3: R14.1@25.27,16.634 v1(25.27,17.01)
  L4 w0.1: v1(20.55,17.95) 20.725,18.125 21.625,18.125 22.2,17.55 23.35,17.55 23.89,17.01 v1(25.27,17.01)
  Bottom w0.15: IC7.W6@13.234,19.446 18.554,19.446 19.8,18.2 20.3,18.2 v1(20.55,17.95)
LMS_I2C_SCL: IC1.C27 IC2.6 R4.1 | length 27.9
  L6 w0.1: v2(25.936,19.674) 26.261,19.999 26.737,19.999 26.927,19.809 26.927,19.198 27.26,18.865 27.26,18.41 26.625,17.775 26.625,11.958 26.833,11.75 28.609,11.75 29.225,11.134 29.225,10.483 34.85,4.858 34.85,4.616 36,3.466 v1(36,3.358)
  Bottom w0.15: R4.1@33.844,1.864 33.5,2.208 33.5,2.652 33.973,3.125 34.395,3.125 34.57,2.95 35.7,2.95 36,3.25 v1(36,3.358) ; R4.1@33.85,1.87 34.226,1.494 34.581,1.494 IC2.6@34.65,1.425
LMS_I2C_SDA: IC1.D26 IC2.5 R3.1 | length 26.6
  L6 w0.1: v2(26.269,19.341) 26.269,12.031 26.75,11.55 28.526,11.55 29.025,11.051 29.025,10.4 34.65,4.775 34.65,4.533 35.55,3.633 v1(35.55,3.35)
  Bottom w0.15: IC2.5@34.4,0.925 33.78,1.545 33.603,1.545 33.5,1.648 33.5,1.854 33.15,2.204 33.15,2.567 32.787,2.93 R3.1@32.775,2.93 33.22,3.375 v1@35.525,3.375
LMS_MCLK1: IC1.AB34 IC7.L17 | length 14.6
  L6 w0.1: v2(14.295,12.729) 14.295,12.205 14.9,11.6 15.125,11.6 15.725,12.2 17.708,12.2 18.208,11.7 18.575,11.7 19.2,12.325 19.625,12.325 20.425,11.525 21.25,11.525 21.475,11.75 21.475,11.95 21.275,12.15 20.492,12.15 20.275,12.367 v1(20.275,12.725)
  Bottom w0.15: v1(20.275,12.725) 20.897,13.347 IC1.AB34@23.605,13.347
LMS_MCLK2: IC1.P34 IC7.W5 | length 14.9
  Bottom w0.15: IC7.W5@12.881,19.8 12.908,19.8 13.012,19.903 13.85,19.903 14.057,19.696 14.522,19.696 14.729,19.903 15.1,19.903 15.307,19.696 15.796,19.696 16.003,19.903 16.447,19.903 16.654,19.696 16.946,19.696 17.153,19.903 17.572,19.903 17.779,19.696 18.021,19.696 18.228,19.903 18.496,19.903 18.8,19.6 19.1,19.6 19.3,19.8 19.575,19.8 19.95,19.425 19.95,19.175 19.725,18.95 19.725,18.7 19.95,18.475 20.85,18.475 21.125,18.2 21.125,17.49 21.34,17.275 21.8,17.275 22.25,16.825 22.25,16.1 22.464,15.886 22.979,15.886 23.104,16.011 IC1.P34@23.605,16.011